# Altium PCB PCB.PcbDoc (part 4 of 10)
Units mil, origin at the board's own origin, x right, y up, seen from the top; angles counter-clockwise.
Board outline 3945.89 x 2165.35 mil, 8 copper layers (Component Side, PWR, Signal 1, Signal 2, GND1, Signal 3, GND2, Solder Side), stack 68.504 mil thick; 329 components, 323 nets, 1378 pads, 692 vias.
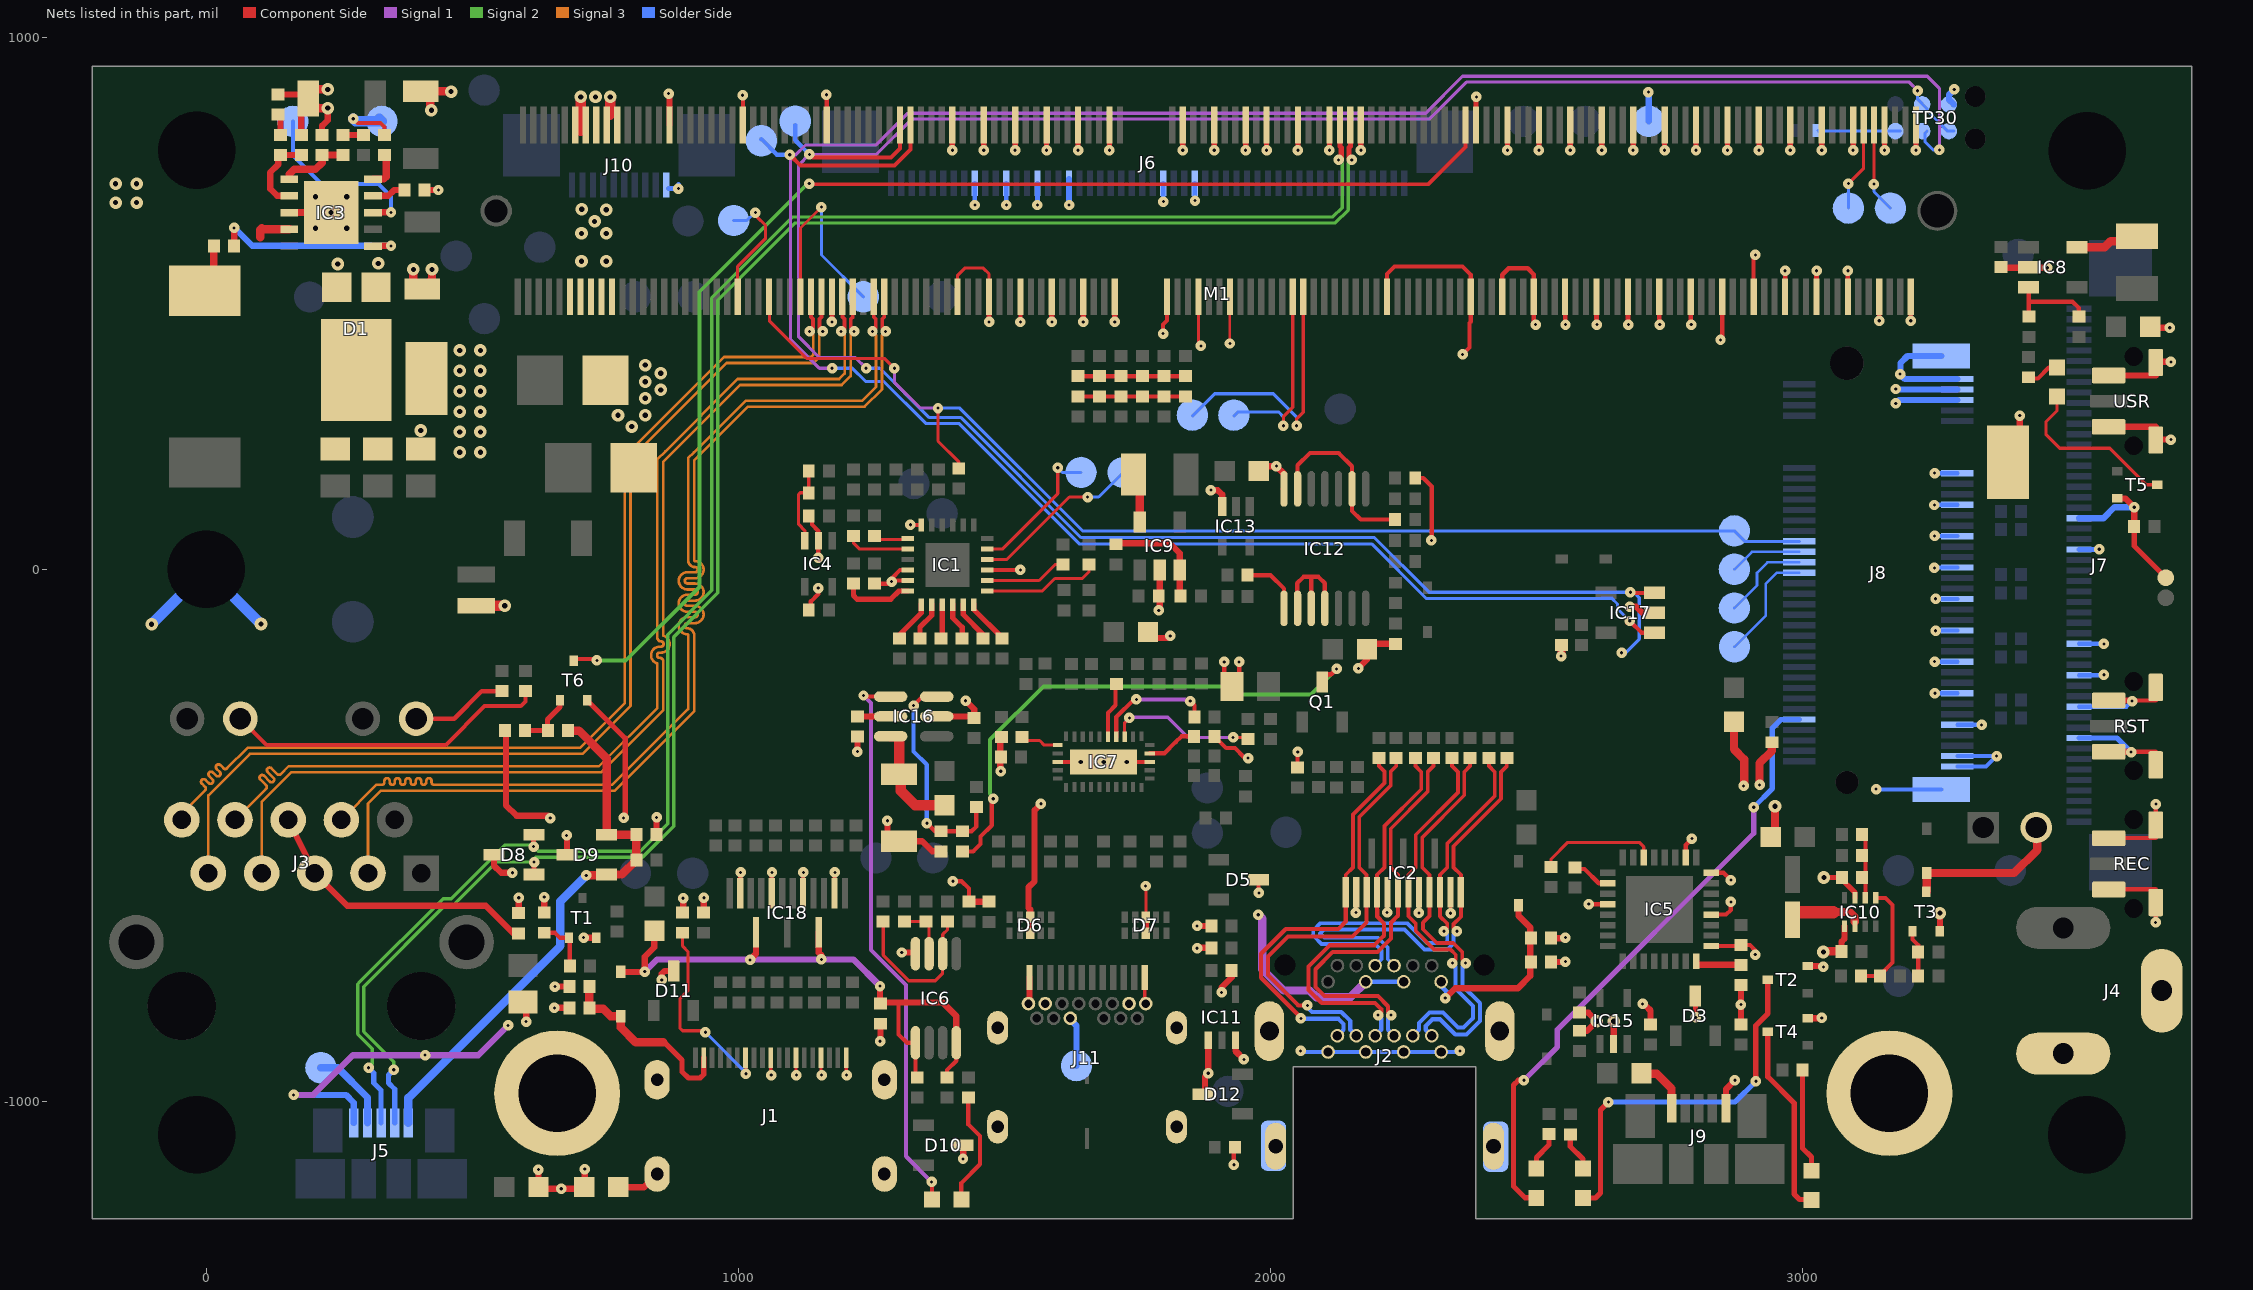
[diagram p10: the nets of this part, all layers, seen from the top]

## Via types
v1: diameter 19.68, hole 5.91, Component Side to Solder Side, 599 vias
v2: diameter 23.62, hole 9.84, Component Side to Solder Side, 90 vias
v3: diameter 19.68, hole 7.87, Component Side to Solder Side, 3 vias

## Nets (pads, with @x,y where several pads share a name; then routed paths per layer and width w, separated by ;. In a path a pad name is that pad's centre, name@x,y a point inside that pad or via, vN(x,y) a via of type N, cw(c..) or ccw(c..) an arc to the next point about the centre after c; other vN are vias at no path point) (continued)
ENET_TRD1_N: J3.3 M1.190 | length 2028
  Component Side w7.09: M1.190@1274.36,512.29 1274.36,474.25 1270.52,470.42 1270.52,453.49 v1(1276.82,447.19)
  Signal 3 w4.92: J3.3@304.14,-570.79 304.14,-440.41 328.59,-415.95 767.98,-415.95 917.05,-266.89 917.05,-123.52 ccw(c904.25,-123.52) 904.25,-110.72 cw(c904.25,-105.8) 904.25,-100.88 918.62,-100.88 ccw(c918.62,-84.74) 934.76,-84.74 ccw(c918.62,-84.74) 918.62,-68.6 904.25,-68.6 cw(c904.25,-63.67) 904.25,-58.75 918.62,-58.75 ccw(c918.62,-42.61) 934.76,-42.61 ccw(c918.62,-42.61) 918.62,-26.47 904.25,-26.47 cw(c904.25,-21.55) 904.25,-16.63 918.62,-16.63 ccw(c918.62,-0.49) 934.76,-0.49 ccw(c918.62,-0.49) 918.62,15.66 cw(c918.62,17.23) 917.05,17.23 917.05,204.26 1018.72,305.93 1237.66,305.93 1270.13,338.4 1270.13,440.5 v1(1276.82,447.19)
ENET_TRD1_P: J3.4 M1.192 | length 2028
  Component Side w7.09: v1(1252.21,447.19) 1258.51,453.49 1258.51,470.42 1254.67,474.25 M1.192@1254.68,512.29
  Signal 3 w4.92: J3.4@254.14,-470.79 320.19,-404.73 330.03,-404.73 ccw(c330.03,-399.81) 334.96,-399.81 334.96,-397.26 cw(c339.88,-397.26) 339.88,-392.34 cw(c339.88,-397.26) 344.8,-397.26 344.8,-399.81 ccw(c349.72,-399.81) 349.72,-404.73 ccw(c349.72,-399.81) 354.64,-399.81 354.64,-397.26 cw(c359.56,-397.26) 359.56,-392.34 cw(c359.56,-397.26) 364.48,-397.26 364.48,-399.81 ccw(c369.41,-399.81) 369.41,-404.73 ccw(c369.41,-399.81) 374.33,-399.81 374.33,-397.26 cw(c379.25,-397.26) 379.25,-392.34 cw(c379.25,-397.26) 384.17,-397.26 384.17,-399.81 ccw(c389.09,-399.81) 389.09,-404.73 ccw(c389.09,-399.81) 394.01,-399.81 394.01,-397.26 cw(c398.93,-397.26) 398.93,-392.34 cw(c398.93,-397.26) 403.85,-397.26 403.85,-399.81 ccw(c408.78,-399.81) 408.78,-404.73 ccw(c408.78,-399.81) 413.7,-399.81 413.7,-397.26 cw(c418.62,-397.26) 418.62,-392.34 cw(c418.62,-397.26) 423.54,-397.26 423.54,-399.81 ccw(c428.46,-399.81) 428.46,-404.73 763.33,-404.73 905.74,-262.33 905.74,-260.94 905.83,-260.86 905.83,-123.52 ccw(c904.25,-123.52) 904.25,-121.94 cw(c904.25,-105.8) 904.25,-89.66 918.62,-89.66 ccw(c918.62,-84.74) 923.54,-84.74 ccw(c918.62,-84.74) 918.62,-79.82 904.25,-79.82 cw(c904.25,-63.67) 904.25,-47.53 918.62,-47.53 ccw(c918.62,-42.61) 923.54,-42.61 ccw(c918.62,-42.61) 918.62,-37.69 904.25,-37.69 cw(c904.25,-21.55) 904.25,-5.41 918.62,-5.41 ccw(c918.62,-0.49) 923.54,-0.49 ccw(c918.62,-0.49) 918.62,4.44 cw(c918.62,17.23) 905.83,17.23 905.83,208.9 916.73,219.81 1014.07,317.15 1233.01,317.15 1258.91,343.05 1258.91,440.5 v1(1252.21,447.19)
ENET_TRD2_N: J3.7 M1.196 | length 2028.1
  Component Side w7.09: M1.196@1215.31,512.29 1215.3,474.25 1211.47,470.42 1211.47,453.49 v1(1217.77,447.19)
  Signal 3 w4.92: J3.7@104.14,-570.79 104.14,-437.48 160.43,-381.19 742.65,-381.19 859.14,-264.7 859.14,-173.12 ccw(c852.25,-173.12) 852.25,-166.23 cw(c852.25,-161.31) 852.25,-156.39 854.81,-156.39 ccw(c854.81,-140.25) 870.95,-140.25 ccw(c854.81,-140.25) 859.14,-124.7 859.14,202.35 1003.33,346.54 1194.18,346.54 1197.47,349.83 1211.07,363.43 1211.07,440.5 v1(1217.77,447.19)
ENET_TRD2_P: J3.8 M1.198 | length 2028.1
  Component Side w7.09: v1(1193.16,447.19) 1199.46,453.49 1199.46,470.42 1195.62,474.25 M1.198@1195.62,512.29
  Signal 3 w4.92: J3.8@54.14,-470.79 112.44,-412.49 ccw(c108.96,-409.01) 112.44,-405.53 101.66,-394.75 cw(c105.14,-391.27) 101.66,-387.79 cw(c105.14,-391.27) 108.62,-387.79 119.4,-398.57 ccw(c122.88,-395.09) 126.36,-398.57 ccw(c122.88,-395.09) 126.36,-391.61 115.58,-380.83 cw(c119.06,-377.35) 115.58,-373.87 cw(c119.06,-377.35) 122.54,-373.87 133.32,-384.65 ccw(c136.8,-381.17) 140.28,-384.65 154.96,-369.97 738,-369.97 847.92,-260.05 847.92,-176.86 cw(c852.25,-161.31) 852.25,-145.17 854.81,-145.17 ccw(c854.81,-140.25) 859.73,-140.25 ccw(c854.81,-140.25) 854.81,-135.33 cw(c854.81,-128.44) 847.92,-128.44 847.92,207 862.77,221.85 998.68,357.76 1189.53,357.76 1199.85,368.08 1199.85,440.5 v1(1193.16,447.19)
ENET_TRD3_N: J3.9 M1.202 | length 2027.4
  Component Side w7.09: M1.202@1156.25,512.29 1156.25,474.25 1152.41,470.42 1152.41,453.49 v1(1158.71,447.19)
  Signal 3 w4.92: J3.9@4.14,-570.79 4.14,-424.91 82.41,-346.64 707.27,-346.64 797.5,-256.41 797.5,207.37 978.01,387.88 1115.62,387.88 1141.7,387.88 1152.02,398.2 1152.02,440.5 v1(1158.71,447.19)
ENET_TRD3_P: J3.10 M1.204 | length 2027.4
  Component Side w7.09: v1(1134.1,447.19) 1140.4,453.49 1140.4,470.42 1136.56,474.25 M1.204@1136.57,512.29
  Signal 3 w4.92: J3.10@-45.86,-470.79 -45.86,-459.04 -2.29,-415.46 ccw(c-5.77,-411.98) -2.29,-408.5 -8.2,-402.58 cw(c-4.73,-399.1) -8.2,-395.62 cw(c-4.73,-399.1) -1.25,-395.62 4.67,-401.54 ccw(c8.15,-398.06) 11.63,-401.54 ccw(c8.15,-398.06) 11.63,-394.58 5.71,-388.66 cw(c9.19,-385.18) 5.71,-381.7 cw(c9.19,-385.18) 12.67,-381.7 18.59,-387.62 ccw(c22.07,-384.14) 25.55,-387.62 ccw(c22.07,-384.14) 25.55,-380.66 19.63,-374.74 cw(c23.11,-371.26) 19.63,-367.78 cw(c23.11,-371.26) 26.59,-367.78 32.51,-373.7 ccw(c35.99,-370.22) 39.47,-373.7 77.76,-335.41 702.62,-335.41 786.28,-251.76 786.28,212.01 973.37,399.1 1137.05,399.1 1140.8,402.85 1140.8,440.5 v1(1134.1,447.19)
GEN0_SCL: IC17.1 M1.185 TP23.1 TP30.4 | length 4968.9
  Component Side w5.91: v1@2669.04,-101.19 v1@2675.09,-101.19
  Component Side w7.87: v1(1096.76,779.34) 1117.1,759 1293.33,759 1323.57,789.25 M1.185@1323.57,835.12 ; v1@2677.31,-98.98 2697.25,-118.92 IC17.1@2721.71,-118.92
  Signal 1 w5.91: v1(1176.33,378) 1152.33,378 1098.33,432 1098.33,777.77 v1(1096.76,779.34) 1107.89,779.34 1126.22,797.67 1140.9,797.67 1141.01,797.78 1259.15,797.78 1318.44,857.07 1323.45,857.07 1323.68,857.3 2291.8,857.3 2361.16,926.67 3234.53,926.67 3257.2,903.99 v1(3257.2,788.47)
  Solder Side w5.91: v1(1176.33,378) 1214.33,378 1239.33,353 1273.33,353 1352.02,274.31 1414.27,274.31 1640.57,48 2190.33,48 2293.33,-55 2621.27,-55 2621.99,-54.28 2641.61,-54.28 2652.33,-65 2652.33,-74 v1(2675.33,-97) ; TP30.4@3233.99,823.68 3230.5,820.2 3230.5,803.3 3245.33,788.47 v1(3257.2,788.47)
  Solder Side w7.87: TP23.1@1043.28,808.51 1072.45,779.34 v1(1096.76,779.34)
GEN0_SDA: IC17.3 M1.187 TP24.1 TP30.3 TP30.6 | length 4852.4
  Component Side w7.87: v1(1133.56,779.96) 1139.52,774 1287.13,774 1303.89,790.76 M1.187@1303.89,835.12 ; v1(2676.61,-42.84) 2675.49,-42.84 2675.33,-43 2676.45,-44.12 IC17.3@2721.71,-44.12
  Signal 1 w5.91: v1(1240.33,378) 1220.13,398.2 1152.02,398.2 1113.33,436.89 1113.33,759.73 v1(1133.56,779.96) 1259.76,779.96 1326.05,846.25 2298.74,846.25 2368.33,915.84 3200.98,915.84 3218.06,898.75 3217.2,898.75 v1(3216.34,899.61)
  Solder Side w5.91: v1(1240.33,378) 1266.33,378 1359.19,285.14 1418.75,285.14 1643.89,60 2195.33,60 2298.33,-43 v1@2675.33,-43 ; v1@2664.76,-157.46 2666.87,-157.46 2693.33,-131 2693.33,-53 2683.33,-43 v1@2675.33,-43 ; v1(2676.61,-42.84) 2675.49,-42.84 v1@2675.33,-43 ; v1(3216.34,899.61) 3216.34,883.54 3233.99,865.9 3233.99,862.37 3272.68,823.68 TP30.6@3284.18,823.68
  Solder Side w7.87: TP24.1@1107.04,835.12 1107.04,806.48 v1(1133.56,779.96)
  other v1: 2659.91,-156.77
GND: BAT1.- C1.1 C2.1 C3.1 C4.1 C5.1 C9.1 C10.2 C11.2 C13.2 C14.2 C15.1 C16.1 C17.1 C18.1 C21.1 C22.1 C23.1 C24.2 C25.1 C26.2 C27.1 C28.1 C29.1 C30.1 C31.1 C32.1 C33.2 C34.1 C35.1 C36.1 C41.1 C46.1 C47.1 C55.1 C56.1 C57.1 C58.1 C59.1 C60.1 C62.1 C63.1 C64.1 C65.1 C66.1 C67.1 C71.1 C72.1 D1.A D3.3 D5.3 D6.3 D6.8 D7.3 D7.8 D8.3 D9.3 D10.3 D11.3 D12.3 IC1.9 IC1.18 IC1.22 IC1.23 IC2.2 IC2.5 IC2.8 IC2.11 IC3.8 IC3.11 IC4.2 IC5.4 IC5.17 IC5.20 IC5.24 IC5.26 IC6.4 IC7.13 IC7.28 IC7.31 IC8.2 IC9.2 IC10.3 IC10.5 IC11.1 IC11.3 IC12.7 IC13.3 IC15.2 IC16.2 IC17.2 IC18.2 IC18.5 IC18.8 IC18.11 J2.1 J2.7 J2.8 J2.13 J2.14 J2.19 J2.21 J2.22 J2.23 J2.24 J4.2 J4.3 J5.5 J6.9 J6.12 J6.15 J6.18 J6.27 J6.30 J7.9 J7.12 J7.15 J7.18 J7.27 J7.30 J8.1 J8.3 J8.9 J8.15 J8.21 J8.27 J8.33 J8.39 J8.45 J8.51 J8.57 J8.71 J8.73 J8.75 J8.SH1 J8.SH2 J9.5 J10.10 J11.A1 J11.A12 J11.B1 J11.B12 J11.Shell L7.2 L8.1 M1.1 M1.2 M1.7 M1.8 M1.13 M1.14 M1.19 M1.20 M1.25 M1.26 M1.31 M1.32 M1.37 M1.38 M1.43 M1.44 M1.49 M1.50 M1.55 M1.56 M1.61 M1.62 M1.67 M1.68 M1.73 M1.74 M1.79 M1.80 M1.85 M1.86 M1.102 M1.107 M1.113 M1.119 M1.125 M1.129 M1.132 M1.135 M1.138 M1.141 M1.144 M1.146 M1.147 M1.152 M1.153 M1.158 M1.159 M1.164 M1.165 M1.170 M1.171 M1.176 M1.177 M1.200 M1.201 M1.217 M1.231 M1.241 M1.242 M1.243 M1.244 M1.245 M1.246 M1.247 M1.248 M1.249 M1.250 M1.261 M1.262 pad.0@2005.82,-1083.3 pad.0@2423.45,-1084.96 R12.1 R30.1 R31.1 R32.1 R37.2 R44.2 R50.1 R52.1 R56.1 R62.1 R73.2 R83.2 R100.1 R102.1 R113.2 R129.1 R131.1 R135.1 REC.1 REC.3 REC.SH1 REC.SH2 RST.1 RST.3 RST.SH1 RST.SH2 SP1.1 SP2.1 SP3.1 SP5.1 SP6.1 SP7.1 T1.2 T2.2 T3.2 T4.2 T5.2 T6.2 TP17.1 TP30.5 TP44.1 USR.1 USR.3 USR.SH1 USR.SH2 | length 14140.8
  Component Side w4.92: M1.138@1864.91,512.29 1864.91,424.42 v1(1869.33,420) ; v1@1923.97,424.54 M1.132@1923.97,512.29
  Component Side w5.91: J11.A12@1763.85,-766.81 1763.85,-814.05 J11.B1@1765.81,-816.02 ; D7.3@1765.5,-653.66 1766.03,-653.13 v1@1766.03,-604.46 ; v1(2160.85,-645.13) 2161.17,-644.81 IC2.2@2161.17,-606.81 ; v1(2219.44,-644.8) IC2.5@2219.44,-607.59 ; v1(2279.2,-645.57) 2279.28,-645.48 IC2.8@2279.28,-606.81 ; IC2.11@2338.34,-606.81 2338.34,-645.86 v1(2338.71,-646.24)
  Component Side w6: M1.176@1412.16,512.29 1412.16,552.72 1425.58,566.14 1460.47,566.14 1471.26,555.35 M1.170@1471.26,539.67
  Component Side w7.87: v1(276.33,847) 284.33,839 327.33,839 335.01,831.32 R44.2@335.01,816.44 ; IC18.11@1003.69,-608.78 1003.69,-570.24 v1(1004.3,-569.63) ; M1.217@1008.61,835.12 v1@1008.61,891.08 ; IC18.8@1062.75,-608.78 1062.75,-570.24 v1(1063.36,-569.63) ; IC18.5@1121.8,-608.78 1121.8,-570.24 v1(1122.41,-569.63) ; C28.1@1132.43,-76 1136.33,-72.1 1136.33,-60 1150.33,-46 v1(1150.33,-35) ; C65.1@1132.43,100 1138.33,94.1 1138.33,84.25 1150.33,72.25 v1(1150.33,22) ; v1(1165.7,892.01) 1166.09,891.62 M1.201@1166.09,835.12 ; IC18.2@1180.86,-608.78 1180.86,-570.24 v1(1181.47,-569.63) ; C9.1@1256.33,-26.9 1283.43,-26.9 v1@1289.33,-21 ; IC1.23@1318.32,-20.89 1289.43,-20.89 v1@1289.33,-21 ; IC1.22@1318.32,-1.21 1304.12,-1.21 1289.33,-16 v1@1289.33,-21 ; v1(1323.33,84) 1323.33,83.44 IC1.18@1343.91,83.44 ; v1(1403.33,-586) 1419.33,-586 1433.33,-600 C26.2@1433.33,-624.1 ; IC1.9@1467.93,-1.21 1524.12,-1.21 1525.33,0 1529.33,0 v1(1530.33,-1) ; M1.164@1530.27,512.29 1530.27,465.06 v1(1530.33,464.92) ; IC7.13@1600.15,-361.73 IC7.28@1773.38,-361.73 ; v1(1798.33,443) 1798.33,460 1805.86,467.53 M1.144@1805.86,512.29 ; R62.1@1894.64,-313.7 1916.89,-335.96 1933.29,-335.96 v1@1950.33,-353 ; v1(1913.33,-174) 1913.33,-205.45 C34.1@1927.88,-220 1941.33,-206.55 v1(1941.33,-174) ; v1(1931.33,-1119) 1931.33,-1086 R100.1@1933.23,-1086 ; D5.3@1977.73,-583 1977.73,-607.4 v1(1978.33,-608) ; R30.1@2051.18,-372.26 2051.18,-343.14 v1(2051.33,-343) ; C63.1@2181.42,-150 C63.1@2191.52,-139.9 ; M1.102@2219.24,512.29 2219.33,512.37 2219.33,555 2233.33,569 2361.33,569 2376.72,553.61 2376.72,465.39 2374.33,463 2374.33,417 v1(2361.33,404) ; C41.1@2272.23,172 2287.33,172 2303.33,156 v1@2303.33,54.41 ; v1(2598.33,-629) 2598.49,-629.16 IC5.4@2633.89,-629.16 ; IC5.26@2780.54,-541.56 2780.54,-517.79 v1(2792.33,-506) ; IC5.17@2828.77,-707.9 C72.1@2884.33,-707.9 ; IC5.20@2828.77,-648.84 2856.49,-648.84 2865.33,-640 v1(2865.33,-625) ; IC5.24@2828.77,-570.1 2851.43,-570.1 v1(2865.33,-584) v1@2865.33,-585 ; C72.1@2884.33,-705.9 2901.23,-705.9 2911.33,-716 v1(2911.33,-724) ; M1.32@2908.22,512.29 2908.22,591.89 v1@2911.33,595 ; REC.1@3575.44,-601.21 3664.02,-601.21 3664.02,-663.04 v1(3663.76,-663.3) ; REC.3@3575.44,-501.11 3575.44,-504.75 3664.02,-504.75 REC.SH1@3664.02,-480.63 3664.02,-441 v1(3664.33,-441) ; v1@3617.02,-342.75 3664.02,-342.75 RST.SH2@3664.02,-367.36 ; v1@3618.28,-246.29 3664.02,-246.29 RST.SH1@3664.02,-221.69
  Component Side w8.66: M1.80@2435.78,512.29 2435.78,553.95 2447.6,565.77 2483.32,565.77 2494.83,554.26 2494.83,463.5 v1(2498.33,460) ; v1@2553.89,460.76 M1.68@2553.89,512.29 ; M1.62@2612.94,512.29 2612.94,460.76 v1(2613.68,460.03) ; v1@2672,460.76 M1.56@2672,512.29 ; v1@2731.05,460.76 M1.50@2731.05,512.29 ; v1@2790.11,460.76 M1.44@2790.11,512.29 ; D3.3@2798.9,-801.7 2798.9,-841.46 v1(2799.43,-841.99) ; v1(2845.91,431.19) 2849.16,434.44 M1.38@2849.16,512.29 ; M1.26@2967.27,512.29 2967.27,561.28 v1(2967.33,561.34) ; M1.20@3026.33,512.29 v1@3026.33,561.28 ; M1.14@3085.39,512.29 v1@3085.38,561.28 ; v1(3144.39,467.24) v1(3144.39,467.24) M1.8@3144.44,512.29 ; v1(3203.45,467.24) 3203.49,467.28 M1.2@3203.49,512.29
  Component Side w9.84: v1@1175.93,465.05 M1.200@1175.94,512.29 ; v1@1402.31,787.88 M1.177@1402.31,835.12 ; v1(1461.32,787.84) M1.171@1461.37,835.12 ; v1@1471.21,465.05 M1.170@1471.21,512.29 ; v1(1520.38,787.84) M1.165@1520.42,835.12 ; v1@1579.48,787.88 M1.159@1579.48,835.12 ; v1(1589.32,465.05) M1.158@1589.32,512.29 ; v1(1638.49,787.84) M1.153@1638.53,835.12 ; v1@1648.38,465.05 M1.152@1648.38,512.29 ; v1@1697.59,787.88 M1.147@1697.59,835.12 ; v1@1707.43,465.05 M1.146@1707.43,512.29 ; v1@1835.38,787.88 M1.141@1835.38,835.12 ; v1(1894.39,787.84) M1.135@1894.44,835.12 ; v1@1953.49,787.88 M1.129@1953.49,835.12 ; v1(1992.82,787.84) M1.125@1992.86,835.12 ; v1(2051.87,787.84) M1.119@2051.92,835.12 ; v1@2110.97,787.88 M1.113@2110.97,835.12 ; v1(2169.98,787.84) M1.107@2170.03,835.12 ; M1.85@2386.56,835.12 2386.56,887.24 v1(2387.33,888) ; v1(2445.57,787.84) M1.79@2445.62,835.12 ; v1@2504.67,787.88 M1.73@2504.68,835.12 ; v1(2563.68,787.84) M1.67@2563.73,835.12 ; v1@2622.79,787.88 M1.61@2622.79,835.12 ; v1(2681.79,787.84) M1.55@2681.84,835.12 ; v1@2740.9,787.88 M1.49@2740.9,835.12 ; v1(2799.9,787.84) M1.43@2799.95,835.12 ; v1@2859.01,787.88 M1.37@2859.01,835.12 ; v1(2918.01,787.84) M1.31@2918.06,835.12 ; v1(2977.07,787.84) M1.25@2977.12,835.12 ; v1@3036.17,787.88 M1.19@3036.17,835.12 ; v2(3040.33,-579) 3070.04,-579 3098.49,-607.44 IC10.3@3098.49,-617.42 ; v1(3095.18,787.84) M1.13@3095.23,835.12 ; v1@3154.28,787.88 M1.7@3154.28,835.12 ; v1(3213.29,787.84) M1.1@3213.34,835.12 ; R113.2@3623.43,81 3623.43,43.8 R129.1@3682.9,-15.67
  Component Side w10: T6.2@716.18,-246.1 787.43,-317.34 787.43,-470.11 v1(784.37,-467.05)
  Component Side w11.81: C25.1@135.08,892.35 184.31,892.35 C22.1@191.59,885.07 178.77,872.25 C64.1@178.77,816.44 ; R52.1@217.83,816.44 217.83,833.5 228.33,844 v2(228.33,867) ; C24.2@410.23,713 v1(436.33,713) ; D8.3@540.93,-536 540.93,-556.6 554.33,-570 v1(575.33,-570) ; R73.2@561.43,-303 563.33,-301.1 563.33,-443.26 583.27,-463.2 642.89,-463.2 646.71,-467.03 v1(646.71,-467.41) ; C13.2@587.33,-646.1 v1(587.33,-617) ; C14.2@595.33,-813.45 601.33,-819.45 v1(601.33,-850) ; v1(624.33,-1128) 624.33,-1160.91 L7.2@624.42,-1161 L7.2@635.42,-1172 ; L7.2@633.42,-1164 v1(667.33,-1164) L8.1@697.24,-1164 ; R83.2@635.33,-645.1 v1(635.33,-616) ; v1(654.33,-824) C1.1@682.43,-824 ; v1(655.33,-784) C2.1@682.43,-784 ; v1(677.33,-500) 677.93,-500.6 D9.3@677.93,-536 ; L8.1@699.24,-1172 L8.1@710.24,-1161 711.33,-1159.91 v1(711.33,-1127) ; v1(709.33,-692) 709.73,-692.4 T1.2@732.92,-692.4 ; C62.1@846.23,-498 846.23,-466.1 v1(846.33,-466) ; v1(856.13,-771.57) 856.13,-760.06 861.6,-754.6 D11.3@878.33,-754.6 ; v1(869.12,894.17) 870.82,892.48 M1.231@870.82,835.12 ; R12.1@895.33,-645.1 896.33,-644.1 v1(896.33,-618) ; R37.2@934.33,-645.1 935.33,-644.1 v1(935.33,-617) ; v1(1223.98,-342.4) R50.1@1223.98,-322.86 ; v1(1266.38,-886.89) 1267.37,-885.9 C27.1@1267.37,-857.5 ; v1(1280.3,-472.47) 1280.3,-510.88 C31.1@1302.09,-510.88 1345.4,-510.88 1364.41,-529.9 R102.1@1381.33,-529.9 ; v1(1307.33,-720) 1330.6,-720 IC6.4@1332.94,-722.34 ; IC16.2@1372.95,-276.41 C32.1@1443.33,-276.41 ; v1(1422.33,-1108) 1422.73,-1107.6 D10.3@1422.73,-1082 ; v1(1427.33,-247) 1443.33,-263 C32.1@1443.33,-276.41 ; C26.2@1433.33,-624.1 1433.76,-624.53 R131.1@1471.19,-624.53 ; C32.1@1443.33,-279.1 C32.1@1443.33,-276.41 ; C32.1@1444.33,-281.1 1444.33,-276.41 C32.1@1443.33,-276.41 ; v1@1492.33,-382 1492.33,-319.9 C33.2@1495.33,-316.9 ; J11.B12@1545.03,-822.36 1547.31,-820.08 J11.A1@1547.31,-766.81 ; D6.3@1548.97,-683.97 D6.8@1548.97,-653.66 1548.97,-639.31 1545.48,-635.83 1545.48,-597.5 1556.84,-586.14 1556.84,-452.28 v1(1568.65,-440.47) ; D7.8@1765.5,-683.97 D7.3@1765.5,-653.66 ; C35.1@1770.03,-117.64 1781.39,-129 v1@1811.33,-129 ; v1(1790.33,-77) 1792.19,-75.13 IC9.2@1792.19,-1.12 ; v1(1862.33,-712) 1863.08,-711.25 R31.1@1889.43,-711.25 ; v1(1862.33,-670) R32.1@1889.43,-670 ; D12.3@1876.93,-986 1876.93,-953.4 v1(1883.33,-947) IC11.1@1883.33,-885 ; v1(1888.33,149) 1901.33,149 1909.74,140.59 IC13.3@1909.74,118.4 ; v1(1908.33,-795) 1908.33,-785.63 1927.23,-766.73 C5.1@1927.23,-754 ; IC11.3@1934.51,-885 1934.51,-905.18 v1(1950.33,-921) ; C58.1@1978.42,185 1987.42,194 v1(2011.33,194) 2025.56,179.77 IC12.7@2025.56,151.21 IC12.7@2025.33,151.21 ; v1(2165.33,-186) 2181.33,-170 2181.33,-150.09 C63.1@2181.42,-150 ; C63.1@2191.52,-139.9 C71.1@2235.33,-139.9 ; C3.1@2527.23,-738 2553.33,-738 v1(2554.33,-737) ; C4.1@2527.23,-693 2553.33,-693 v1(2554.33,-692) ; C67.1@2581.33,-867.1 2595.23,-867.1 v2(2613.33,-849) 2597.23,-832.9 C66.1@2581.33,-832.9 ; IC15.2@2644.92,-892 2645.33,-891.59 v2(2645.33,-849) ; v1(2675.33,-70) 2687.33,-70 2698.85,-81.52 IC17.2@2721.71,-81.52 ; v1@2706.33,-821 2714.33,-829 C29.1@2714.33,-855.1 ; J9.5@2856.31,-1012.79 2856.31,-976.91 v1(2873.06,-960.16) ; C15.1@2884.33,-855.1 v1(2884.33,-818) C30.1@2884.33,-780.9 ; T4.2@3009.73,-843.41 3035.92,-843.41 v1(3036.33,-843) ; T2.2@3009.73,-745.41 3037.74,-745.41 v1(3039.33,-747) ; C59.1@3073.43,-718 3073.43,-699.9 3078.8,-694.53 IC10.5@3078.8,-670.57 ; T3.2@3257.92,-680.4 3258.33,-679.99 v2(3258.33,-646) ; C55.1@3373.33,568.1 3373.33,567 v1(3460.49,567) ; M1.262@3386.56,201.26 3408.33,223.03 v1(3408.33,289) ; RST.1@3575.44,-342.75 v1@3617.02,-342.75 ; RST.3@3575.44,-246.29 v1@3618.28,-246.29 ; USR.1@3575.42,267.91 3664.01,267.91 USR.SH2@3664.01,243.31 3664.7,244 v1(3692.33,244) ; USR.3@3575.42,364.37 3664.01,364.37 USR.SH1@3664.01,388.98 3665.03,390 v1(3692.33,390) ; T5.2@3591.93,133.41 3606.92,133.41 v1(3623.43,116.9) R113.2@3623.43,81 ; C56.1@3653.42,456 3655.42,454 v1(3690.33,454)
  Component Side w13.78: IC3.8@156,670.58 v2(234.74,670.58)
  Component Side w15.75: v2(228.33,867) 209.66,867 C22.1@191.59,885.07 208.52,902 v2(228.33,902) ; v2(389.4,563.75) 389.4,543.94 C23.1@406.33,527.01 424.4,545.08 v2(424.4,563.75) ; v2(423.33,863) 421.33,865 421.33,880.27 C21.1@403.22,898.38 459.95,898.38 v2(460.33,898) ; v1(2546.49,-163.03) 2547.03,-162.49 C36.1@2547.03,-141.72 ; C47.1@2871.33,-286.43 2871.33,-338 2890.33,-357 2890.33,-406 v1(2889.33,-407) ; v1(2919.33,-405) 2919.33,-364 2942.33,-341 C46.1@2942.33,-324.9 ; C60.1@2940.24,-503 2948.33,-494.91 v2(2948.33,-445) ; v2(3039.33,-719) 3039.33,-718 C59.1@3073.43,-718
  Component Side w19.68: BAT1.-@507.33,-68.53 v2@561.02,-68.53 ; 704.06,824.45 704.06,887.12 v2@704.24,887.3 ; M1.243@758.61,854.84 759.23,855.46 v2(759.23,887.98)
  Signal 1 w7.87: v1@2865.33,-585 v1(2865.33,-584)
  Signal 1 w11.81: v1(164.4,-987.71) 200.97,-987.71 275.77,-912.91 v1(411.42,-912.91) 511.42,-912.91 v1(567.33,-857)
  Signal 1 w15.75: v1(1977.33,-649) 1984.97,-656.64 1984.97,-751.64 2024.83,-791.5 2073.68,-791.5 2086.18,-804 2150.28,-804 J2.8@2179.2,-775.08
  Solder Side w7.87: v1(2056.84,-905.04) 2058.77,-906.97 J2.1@2108.34,-906.97 ; J2.1@2104.08,-912.91 2110.03,-906.97 J2.7@2179.2,-906.97 J2.13@2250.38,-906.97 J2.19@2320.94,-906.97 2354.12,-906.97 v1(2356.05,-905.04) ; J2.8@2179.2,-775.08 J2.14@2250.38,-775.08 ; v1(3138.33,-413) 3139.23,-413.9 J8.SH1@3260.75,-413.9 ; v1@3248.09,-115.41 3248.82,-114.68 J8.27@3291.26,-114.68 ; v1(3248.08,120.99) 3248.62,121.54 J8.51@3291.26,121.54 ; v1(3248.33,63) 3248.85,62.48 J8.45@3291.26,62.48 ; v1@3248.82,3.43 J8.39@3291.26,3.43 ; v1(3248.85,-232.79) J8.15@3291.26,-232.8 ; v1@3248.85,-173.74 J8.21@3291.26,-173.74 ; v1@3248.85,180.59 J8.57@3291.26,180.59 ; v1(3250.1,-55.1) 3250.63,-55.63 J8.33@3291.26,-55.63 ; J8.1@3291.26,-370.59 3345.03,-370.59 3364.71,-350.9 J8.3@3291.26,-350.91 ; J8.9@3291.26,-291.85 v1@3335.49,-291.85 ; J7.12@3519.48,-257.99 3608.8,-257.99 v1(3619.39,-247.4) ; J7.15@3519.48,-198.93 3565.4,-198.93 v1(3566.33,-198) ; J7.18@3519.48,-139.88 3566.21,-139.88 v1(3566.33,-140)